# KiCad board main_boardv1.kicad_pcb (continued)
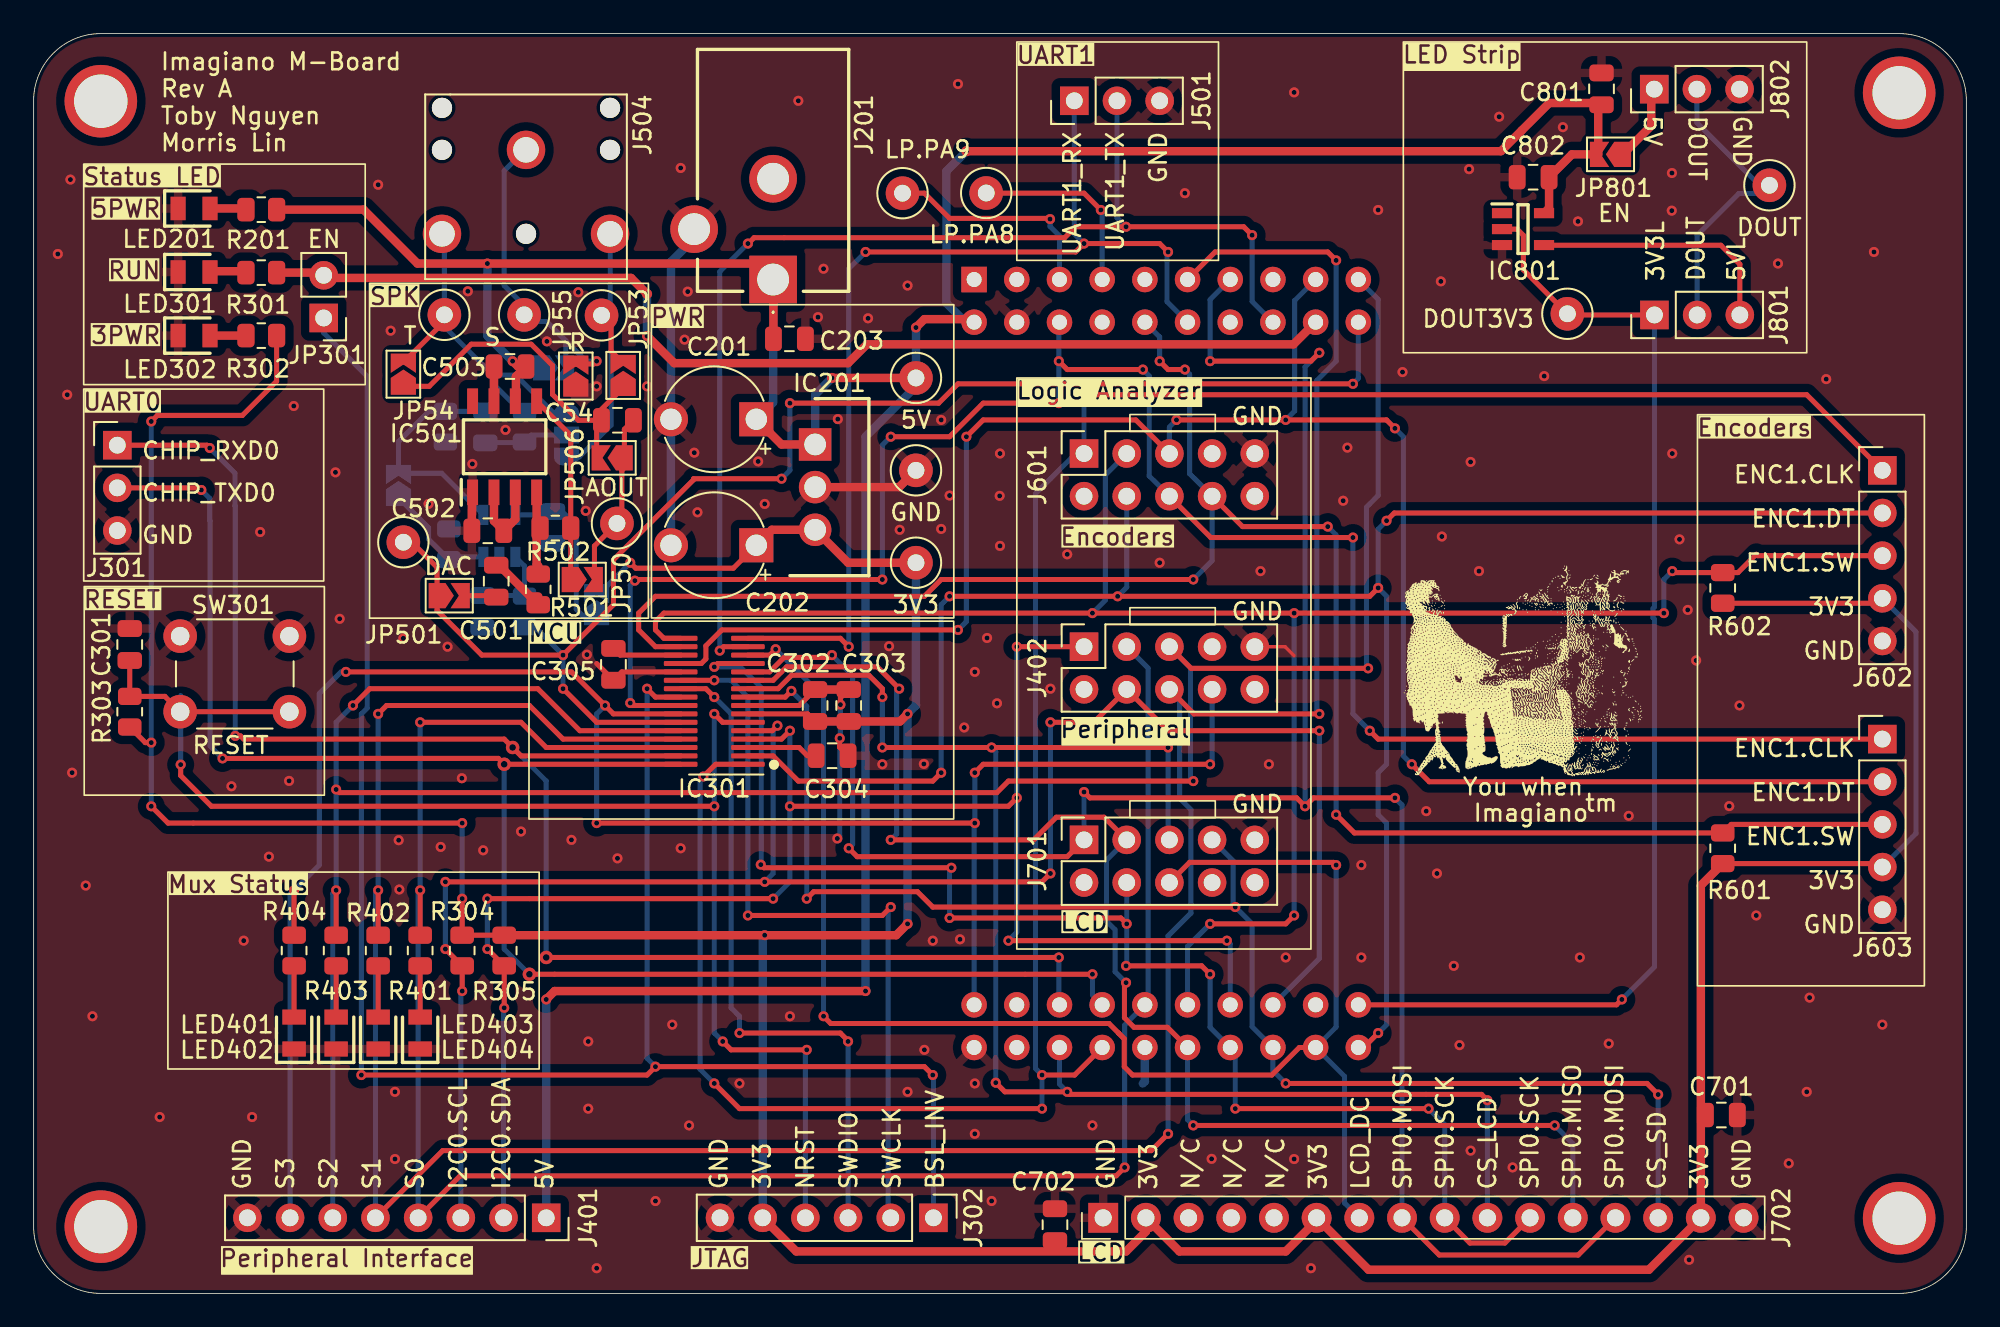
[diagram p0: board, top side]
## Footprints (pads in the part's own frame, mm; a bottom-side part is the same pattern mirrored in y, then rotated)
373
  rect 2.835x2.835 hole 1.89: 1(0,0)
  round 2.835 hole 1.89: 2(0,6) 3(-4.7,3)
bettertestpoint2
  round 2 hole 1: 1(0,0)
C_0805_2012Metric
  rrect 1x1.45 smd: 1(-0.95,0) 2(0.95,0)
CP_Radial_Tantal200mil
  rect 2.032x2.032 hole 1.27: 1(0,0)
  round 2.032 hole 1.27: 2(5.08,0)
generic_VSSOP_0.5mm
  rrect 2x0.3 smd: 1(-2,1) 2(-2,0.5) 3(-2,0) 4(-2,-0.5) 5(-2,-1) 6(-2,-1.5) 7(-2,-2) 8(-2,-2.5) 9(-2,-3) 10(-2,-3.5) 11(-2,-4) 12(-2,-4.5) 13(-2,-5) 14(-2,-5.5) 15(-2,-6) 16(-2,-6.5) 17(2,1) 18(2,0.5) 19(2,0) 20(2,-0.5) 21(2,-1) 22(2,-1.5) 23(2,-2) 24(2,-2.5) 25(2,-3) 26(2,-3.5) 27(2,-4) 28(2,-4.5) 29(2,-5) 30(2,-5.5) 31(2,-6) 32(2,-6.5)
hiletgo_st7735r
  rect 1.778x1.778 hole 1.016: 1(-18.86,0.1)
  round 1.778 hole 1.016: 2(-16.32,0.1) 3(-13.78,0.1) 4(-11.24,0.1) 5(-8.7,0.1) 6(-6.16,0.1) 7(-3.62,0.1) 8(-1.08,0.1) 9(1.46,0.1) 10(4,0.1) 11(6.54,0.1) 12(9.08,0.1) 13(11.62,0.1) 14(14.16,0.1) 15(16.7,0.1) 16(19.24,0.1)
Jack_3.5mm_CUI_SJ1-3523N_Horizontal
  round 1.2 hole 1.2 unplated: (-5,0) (-5,-2.5) (0,5) (5,0) (5,-2.5)
  round 2.286 hole 1.524: R(-5,5) S(0,0) T(5,5)
LEDC2012X40N
  rect 0.9x1.4 smd: 1(-0.95,0) 2(0.95,0)
logic_analyzer_slot_2x5_2.54mm
  rect 1.7x1.7 hole 1: 1(0,0)
  round 1.7 hole 1: 2(-2.54,0) 3(0,-2.54) 4(-2.54,-2.54) 5(0,-5.08) 6(-2.54,-5.08) 7(0,-7.62) 8(-2.54,-7.62) 9(0,-10.16) 10(-2.54,-10.16)
PinHeader_1x02_P2.54mm_Vertical
  rect 1.7x1.7 hole 1: 1(0,0)
  oval 1.7x1.7 hole 1: 2(0,-2.54)
PinHeader_1x03_P2.54mm_Vertical
  rect 1.7x1.7 hole 1: 1(0,0)
  round 1.7 hole 1: 2(0,-2.54) 3(0,-5.08)
PinHeader_1x05_P2.54mm_Vertical
  rect 1.7x1.7 hole 1: 1(0,0)
  round 1.7 hole 1: 2(0,-2.54) 3(0,-5.08) 4(0,-7.62) 5(0,-10.16)
PinHeader_1x06_P2.54mm_Vertical
  rect 1.7x1.7 hole 1: 1(0,0)
  round 1.7 hole 1: 2(0,-2.54) 3(0,-5.08) 4(0,-7.62) 5(0,-10.16) 6(0,-12.7)
PinSocket_1x08_P2.54mm_Vertical
  rect 1.7x1.7 hole 1: 1(0,0)
  round 1.7 hole 1: 2(0,-2.54) 3(0,-5.08) 4(0,-7.62) 5(0,-10.16) 6(0,-12.7) 7(0,-15.24) 8(0,-17.78)
R_0805_2012Metric
  rrect 1.025x1.4 smd: 1(-0.912,0) 2(0.912,0)
SolderJumper-2_P1.3mm_Open_TrianglePad1.0x1.5mm
  custom 1.5x1.5 smd: 1(-0.725,0)
  custom 1.15x1.5 smd: 2(0.725,0)
SolderJumper-3_P1.3mm_Open_RoundedPad1.0x1.5mm
  custom 1.05x1.5 smd: 1(-1.3,0) 3(1.3,0)
  rect 1x1.5 smd: 2(0,0)
SOT95P280X145-5N
  rect 1.2x0.6 smd: 1(-1.25,0.95) 2(-1.25,0) 3(-1.25,-0.95) 4(1.25,-0.95) 5(1.25,0.95)
standoff_MH
  round 4.318 hole 3.175: 1(0,-0.025)
SW_PUSH_6mm
  round 2 hole 1.1: 1(0,0) 1(6.5,0) 2(0,-4.5) 2(6.5,-4.5)
ti_LM4890M_NOPB
  rect 1.525x0.65 smd: 1(-2.712,1.905) 2(-2.712,0.635) 3(-2.712,-0.635) 4(-2.712,-1.905) 5(2.712,-1.905) 6(2.712,-0.635) 7(2.712,0.635) 8(2.712,1.905)
ti_LP_MSPM0G3507
  rect 1.52x1.52 hole 0.89: J1_1(-22.86,2.54)
  round 1.52 hole 0.89: J1_2(-22.86,0) J1_3(-22.86,-2.54) J1_4(-22.86,-5.08) J1_5(-22.86,-7.62) J1_6(-22.86,-10.16) J1_7(-22.86,-12.7) J1_8(-22.86,-15.24) J1_9(-22.86,-17.78) J1_10(-22.86,-20.32) J2_1(22.86,2.54) J2_2(22.86,0) J2_3(22.86,-2.54) J2_4(22.86,-5.08) J2_5(22.86,-7.62) J2_6(22.86,-10.16) J2_7(22.86,-12.7) J2_8(22.86,-15.24) J2_9(22.86,-17.78) J2_10(22.86,-20.32) J3_1(-20.32,2.54) J3_2(-20.32,0) J3_3(-20.32,-2.54) J3_4(-20.32,-5.08) J3_5(-20.32,-7.62) J3_6(-20.32,-10.16) J3_7(-20.32,-12.7) J3_8(-20.32,-15.24) J3_9(-20.32,-17.78) J3_10(-20.32,-20.32) J4_1(20.32,2.54) J4_2(20.32,0) J4_3(20.32,-2.54) J4_4(20.32,-5.08) J4_5(20.32,-7.62) J4_6(20.32,-10.16) J4_7(20.32,-12.7) J4_8(20.32,-15.24) J4_9(20.32,-17.78) J4_10(20.32,-20.32)
TO254P470X1028X1955-3P
  rect 1.935x1.935 hole 1.29: 1(0,0)
  round 1.935 hole 1.29: 2(2.54,0) 3(5.08,0)

## Nets
+3V3: C202.1 C302.1 C303.1 C701.1 C702.1 IC201.3 IC301.7 J302.5 J602.4 J603.4 J702.2 J702.6 J702.15 JP507.2 R302.1 R303.1 R304.2 R305.2 R601.2 R602.2 TP203.1
+5V: C201.1 C203.1 C503.2 C801.1 C802.2 IC201.1 IC501.6 IC801.5 J201.1 J401.1 JP801.2 R201.1 TP201.1 U301.J3_1
GND: C201.2 C202.2 C203.2 C301.2 C302.2 C303.2 C304.2 C305.1 C502.2 C503.1 C505.1 C507.2 C701.2 C702.2 C801.2 C802.1 IC201.2 IC301.8 IC301.28 IC501.1 IC501.7 IC502.2 IC801.3 J201.3 J301.3 J302.6 J401.8 J402.9 J501.3 J601.9 J602.5 J603.5 J701.9 J702.1 J702.16 J802.3 JP55.1 JP508.1 LED201.1 LED301.1 LED302.1 LED401.1 LED402.1 LED403.1 LED404.1 R504.1 R505.1 R506.2 SW301.1 TP202.1 U301.J2_1 U301.J2_5 U301.J3_2
/Audio IO/AOUT1: C54.2 JP50.2 JP506.1 TP502.1
/Audio IO/AOUT2: C54.1 JP53.1 JP54.1 JP506.2
/Audio IO/BYPASS: C502.1 IC501.2 IC501.3
/Audio IO/CinRin: C501.2 R501.1
/Audio IO/DAC_OUT: IC301.22 JP501.1 R503.1 TP501.1 U301.J3_10
/Audio IO/R: J504.R JP53.2 JP511.1 TP504.1
/Audio IO/R_{IN}R_{F}: IC501.4 R501.2 R502.1
/Audio IO/S: J504.S JP55.2 JP508.2 TP503.1
/Audio IO/T: J504.T JP54.2 JP511.3 TP505.1
/Audio IO/UART1_RX: IC301.16 J501.1 U301.J3_6
/Audio IO/UART1_TX: IC301.15 J501.2 U301.J3_8
/Audio IO/VO_1: IC501.5 JP50.1 R502.2
/Encoders & Buttons/ENC1.CLK: IC301.1 J601.1 J602.1 U301.J2_4
/Encoders & Buttons/ENC1.DT: IC301.2 J601.4 J602.2 U301.J2_10
/Encoders & Buttons/ENC1.SW: IC301.32 J601.3 J602.3 R602.1 U301.J4_6
/Encoders & Buttons/ENC2.CLK: IC301.24 J601.6 J603.1 U301.J3_3
/Encoders & Buttons/ENC2.DT: IC301.29 J601.5 J603.2 U301.J1_9
/Encoders & Buttons/ENC2.SW: IC301.31 J601.8 J603.3 R601.1 U301.J3_5
/LCD/CS_LCD: IC301.10 J701.5 J702.10 U301.J2_3
/LCD/CS_SD: IC301.9 J701.7 J702.14 U301.J2_8
/LCD/LCD_DC: IC301.14 J701.6 J702.7 U301.J2_9
/LCD/SPI0.MISO: IC301.11 J701.3 J702.12 U301.J2_6
/LCD/SPI0.MOSI: IC301.12 J701.1 J702.8 J702.13 U301.J1_7
/LCD/SPI0.SCK: IC301.13 J701.4 J702.9 J702.11 U301.J2_7
/LED Strip/DOUT: J801.2 J802.2 TP801.1
/LED Strip/DOUT_3V3: IC801.2 J801.1 TP803.1 U301.J4_10
/LED Strip/DOUT_5V: IC801.4 J801.3
/MCU/BSL_INVOKE: IC301.25 J302.1 JP301.1
/MCU/I2C0.SCL: IC301.5 J401.3 J402.4 R304.1 U301.J4_8
/MCU/I2C0.SDA: IC301.4 J401.2 J402.1 R305.1 U301.J4_7
/MCU/NRST: C301.1 IC301.6 J302.4 R303.2 SW301.2
/MCU/RUN_LED: JP301.2 R301.1 U301.J3_9
/MCU/S0: IC301.19 J401.4 J402.3 R401.1 U301.J4_5
/MCU/S1: IC301.20 J401.5 J402.6 R402.1 U301.J1_6
/MCU/S2: IC301.21 J401.6 J402.5 R403.1 U301.J1_10
/MCU/S3: IC301.23 J401.7 J402.8 R404.1 U301.J4_1
/MCU/SWCLK: IC301.27 J302.2
/MCU/SWDIO: IC301.26 J302.3
/MCU/UART0_CHIP_RX: IC301.18 J301.1 U301.J4_3
/MCU/UART0_CHIP_TX: IC301.17 J301.2 U301.J4_4
/MCU/VCORE: C304.1 IC301.3
Net-(IC301-PA23/VREF+): C305.2 IC301.30
Net-(IC502-+): C505.2 IC502.1 R503.2
Net-(IC502--): IC502.3 JP509.1 R505.2
Net-(IC502-V+): C507.1 IC502.5 JP507.1
Net-(J802-Pin_1): J802.1 JP801.1
Net-(JP501-B): C501.1 JP501.2
Net-(JP509-B): C506.2 IC502.4 JP509.2 R506.1
Net-(JP511-C): C506.1 JP511.2 R504.2
Net-(LED201-A): LED201.2 R201.2
Net-(LED301-A): LED301.2 R301.2
Net-(LED302-A): LED302.2 R302.2
Net-(LED401-A): LED401.2 R401.2
Net-(LED402-A): LED402.2 R402.2
Net-(LED403-A): LED403.2 R403.2
Net-(LED404-A): LED404.2 R404.2
Net-(U301-PA8): TP303.1 U301.J1_4
Net-(U301-PA9/PB23): TP301.1 U301.J1_3

Pads without a net: H101 1; H102 1; H103 1; H104 1; IC501 8; IC801 1; J201 2; J402 2 7 10; J601 2 7 10; J701 2 8 10; J702 3 4 5; U301 J1_1 J1_2 J1_5 J1_8 J2_2 J3_4 J3_7 J4_2 J4_9

## Via types
v1: diameter 0.6, hole 0.3, Top to Bottom, 308 vias
v2: diameter 0.8, hole 0.4, Top to Bottom, 4 vias

## Routing (per net, layer and track width the routed paths; a pad name or vN(x,y) marks a point on that pad's centre or on a via; arc(x,y) is an arc through that point)
+3V3: length 279
  Top w0.3: v1(35.5,43.5) 35.83,43.17 41.63,43.17 C202.1 ; IC301.7 46.05,34.5 C302.1 ; R601.2 109.79,25.59 J603.4 ; R303.1 6.65,32.79 v1(7,32.79) ; R602.2 109.71,41.09 J602.4 ; v1(25.5,23.5) R304.2 R305.2 ; v1(7,29) 8,28 v1(25.5,28) ; R302.1 14.46,54.31 12.42,52.27 7.36,52.27 v1(7,51.91)
  Top w0.5: C202.1 43.92,45.46 IC201.3 48.46,43.5 TP203.1 ; J302.5 45.38,2.5 65,2.5 66.18,3.68 J702.2 68.18,2.5 74.5,2.5 76.34,4.34 J702.6 79.43,1.41 96.11,1.41 J702.15 99.2,24.29 R601.2 ; C302.1 C303.1 51.55,34.05 v1(52,34.5) ; v1(52,22) 51.32,21.33 v1(43.5,21.33) R305.2
  Bottom w0.3: J603.4 112,27.38 112,39.38 J602.4 ; v1(25.5,23.5) v1(25.5,28) ; v1(7,29) v1(7,32.79) v1(7,51.91) ; JP507.2 33.72,41.72 v1(35.5,43.5)
  Bottom w0.5: J302.5 43.38,21.2 v1(43.5,21.33) ; TP203.1 52.5,35 v1(52,34.5) v1(52,22)
+5V: length 202.6
  Top w0.5: v1(28.5,55.5) 28.82,55.18 C503.2 28.7,54.59 28.7,53.15 IC501.6 ; C201.1 44.5,50.54 IC201.1 ; v1(55.5,68) 87.31,68 90.18,70.87 93.26,70.87 93.29,70.84 C801.1 93.29,70.64 93.09,70.44 93.09,67.81 91.53,67.81 C802.2 90.17,64.61 IC801.5 ; v1(49.5,18) 31,18 v1(30.5,17.5) ; U301.J3_1 55.78,58 53,58 v1(52.5,57.5) ; C203.1 44.02,60.34 J201.1 43.05,61.31 v1(27,61.31) 22.84,61.31 19.63,64.52 R201.1 ; v1(47.5,54.5) TP201.1
  Bottom w0.5: U301.J3_1 55.44,57.82 54.31,58.95 54.31,66.81 v1(55.5,68) ; C201.1 44,53.04 44,60 ; v1(28.5,55.5) 27,57 v1(27,61.31) ; v1(52.5,57.5) TP201.1 52.5,54 49.5,51 v1(49.5,18) ; v1(47.5,54.5) 46.5,53.5 IC201.1 ; v1(30.5,17.5) J401.1
GND: length 59.3
  Top w0.2: J402.9 74.46,38.5 74.99,37.97
  Top w0.3: C302.2 45.55,35 IC301.8 ; C304.2 47.95,32.52 47.95,32.95 47.97,32.97 v1(47.97,33.05) ; 33.5,37.5 C305.1 35,37 IC301.28 ; C303.2 48,35.45 v1(48,35.05)
  Top w0.5: IC201.2 51.5,48 TP202.1 ; C302.2 C303.2 ; IC501.1 26.08,47.64 C502.2 ; IC501.7 27.39,54.59 27.39,54.59 C503.1
  Bottom w0.3: v1(47.82,27.08) 47.97,27.23 v1(47.97,33.05) 48,33.09 48,35.05 v1(48,35.05) ; R504.1 28.99,52.51 27.5,54
  Bottom w0.5: C202.2 C201.2 37.92,61.42 39.3,62.8 39.3,63 ; U301.J2_5 66.12,12.62 66,12.5
  vias: v1(1.44,61.88) v1(2,53.5) v1(2.19,66.31) v1(2.29,31) v1(3.1,24.28) v1(3.5,16.5) v1(7.5,10.5) v1(11.77,30.19) v1(12.5,21) v1(13,10.5) v1(13.48,45.33) v1(14,26) v1(15.2,30.51) v1(15.48,52.83) v1(17.96,48.88) v1(18.21,40.16) v1(20.5,66) v1(21.24,57.31) v1(21.5,12) v1(21.5,8) v1(21.72,26.98) v1(21.76,24.04) v1(22,39) v1(23.5,47) v1(24.22,26.58) v1(24.63,38.5) v1(25.48,30.67) v1(25.84,59.66) v1(26.11,49.38) v1(26.75,26.38) v1(28.08,51.41) v1(29,27.5) v1(30.54,56.68) v1(32,27) v1(32.41,59.6) v1(32.85,46.59) v1(32.92,38.03) v1(33,15) v1(33,11) v1(33.5,54) v1(33.5,1.5) v1(34.74,25.9) v1(36.5,54) v1(37,5.5) v1(38,16) v1(38.5,67) v1(38.5,26.5) v1(38.73,56.78) v1(38.92,59.64) v1(39,10) v1(39.31,50.05) v1(39.5,46.5) v1(42,12.5) v1(43.11,49.53) v1(43.5,47) v1(45,16.5) v1(45.5,71) v1(46.67,58.12) v1(47,61) v1(47.85,52.05) v1(49.65,58.05) v1(50.5,31.5) v1(50.9,38.53) v1(51.53,45.46) v1(52,60) v1(52,12) v1(52.97,31.52) v1(53,14.5) v1(53.5,21) v1(54,52) v1(54,45.51) v1(54.5,47.5) v1(55,72) v1(55.12,21.08) v1(55.37,33.69) v1(56,37) v1(56,12.5) v1(56,9.5) v1(56.73,39.02) v1(57,5.5) v1(57.32,35.13) v1(57.5,50) v1(57.48,47.48) v1(57.5,44.5) v1(60.5,36) v1(61.5,44) v1(63,10) v1(67,43.5) v1(68.5,65.5) v1(70.09,8.01) v1(73,43) v1(73.5,31.5) v1(74.5,20) v1(75,71.5) v1(75,8) v1(76,1.5) v1(77.92,47.19) v1(78.17,50.35) v1(79,25.5) v1(79,20) v1(80,64.5) v1(81.45,54.85) v1(82.86,28.71) v1(83.5,25) v1(83.73,60.25) v1(83.79,45.06) v1(84.5,19.5) v1(84.84,14.78) v1(85.41,66.93) v1(85.5,49.5) v1(85.46,34.62) v1(85.5,8.5) v1(86,43) v1(87.2,70.05) v1(88,7.5) v1(89.88,54.61) v1(90.99,69.43) v1(91.89,63.82) v1(92,20) v1(93.72,14.87) v1(94.91,28.43) v1(97.48,66.7) v1(97.47,64.46) v1(97.5,50) v1(97.93,44.89) v1(98.42,40.69) v1(98.5,2) v1(98.92,37.68) v1(100.89,29.01) v1(101.5,35) v1(102.5,22.5) v1(103.79,61.31) v1(104.43,7.74) v1(105.5,12) v1(105.67,17.61) v1(106.66,54.43) v1(109.5,62) v1(110,16)
/Audio IO/AOUT1: length 10.4
  Top w0.3: JP50.2 33.37,44.5 TP502.1 35,46.13 35,49 35.15,49.15 JP506.1 35.15,51.44 C54.2
/Audio IO/AOUT2: length 20.6
  Top w0.3: JP53.1 33.5,52.35 33.5,49.7 ; C54.1 32.41,51.98 30.88,53.52 30.88,55.24 29.6,56.51 26.04,56.51 23.53,54 JP54.1
/Audio IO/BYPASS: length 5.1
  Top w0.5: IC501.3 28.66,46.09 C502.1 27.39,45.99 IC501.2
/Audio IO/CinRin: length 3.3
  Top w0.5: 30.03,41.49 29.55,41.49 27.69,43.35 C501.2
/Audio IO/DAC_OUT: length 88
  Top w0.3: IC301.22 33.5,34 v1(31.5,36) ; v1(45,53) 53.85,53 55,54.15 v1(78.5,54.15) ; TP501.1 22.51,44.72 24,43.22 24,40.67 26.67,38 v1(31.5,38) 34.5,41 34.5,43.67 39.27,48.44 39.27,48.5 v1(44.5,48.5)
  Bottom w0.3: v1(78.5,54.15) 78.82,54.47 U301.J3_10 ; v1(31.5,36) v1(31.5,38) 29.81,39.69 R503.1 ; v1(45,53) 45,49 v1(44.5,48.5)
/Audio IO/R: length 17.7
  Top w0.3: 34.36,57.86 34.36,56.1 JP53.2
  Bottom w0.3: JP511.1 32.47,49.8 34.36,51.69 34.36,57.86 34.31,57.91 34.31,63.15
/Audio IO/R_{IN}R_{F}: length 4.4
  Top w0.5: 30.03,43.31 29.93,43.41 IC501.4
/Audio IO/S: length 20.8
  Top w0.3: 31.92,55.34 JP55.2 33.34,55.34 v1(33.5,55.5)
  Bottom w0.3: 30.94,57.44 31.66,56.72 JP508.2 ; 30.94,57.44 32.88,55.5 v1(33.5,55.5) ; 30.94,57.44 30.52,57.86 29.4,57.86 29.4,58.6 28,60 28,66.84 29.31,68.15
/Audio IO/T: length 18.5
  Top w0.3: 24.44,57.86 22.03,55.45 JP54.2
  Bottom w0.3: JP511.3 30.95,52.4 28.68,54.68 27.32,54.68 24.44,57.56 24.44,63.02 24.31,63.15
/Audio IO/UART1_RX: length 62
  Top w0.3: IC301.16 48,39 v1(48.5,38.5) ; v1(67.5,62) 67,62.5 v1(62.5,62.5) 62,62 v1(49.5,62)
  Bottom w0.3: v1(67.5,62) 67.44,61.94 67.44,59.04 U301.J3_6 ; v1(48.5,38.5) 48.5,61 v1(49.5,62) ; J501.1 61.92,63.08 v1(62.5,62.5)
/Audio IO/UART1_TX: length 70.7
  Top w0.3: IC301.15 41.06,38.5 v1(40.82,38.27) ; 42.51,62.49 42.87,62.85 61.35,62.85 62,63.5 v1(65,63.5) 72,63.5 v1(72.5,63)
  Bottom w0.3: v1(40.82,38.27) 40.82,60.82 v1(42.5,62.5) ; v1(65,63.5) 64.46,64.04 J501.2 ; v1(72.5,63) 72.5,59.06 U301.J3_8
/Audio IO/VO_1: length 11.5
  Top w0.3: JP50.1 31.96,42.54 R502.2 31.96,51.09 IC501.5
/Encoders & Buttons/ENC1.CLK: length 139.3
  Top w0.3: v1(60,13) 61.94,13 U301.J2_4 ; J602.1 105.5,53.5 v1(63,53.5) ; v1(40.5,12.5) 42,11 v1(60,11) ; IC301.1 40.58,31.5 v1(39.85,30.77)
  Bottom w0.3: v1(40.5,12.5) 39.65,13.35 39.65,30.57 v1(39.85,30.77) ; v1(60,11) v1(60,13) 59.61,13.39 59.61,47.61 62,50 J601.1 62.5,53 v1(63,53.5)
/Encoders & Buttons/ENC1.DT: length 117.7
  Top w0.3: v1(54,31) 53.5,30.5 45.5,30.5 44,32 IC301.2 ; U301.J2_10 79.14,14.64 v1(80,15.5) ; v1(80,42) 79.5,41.5 v1(64.5,41.5) v1(54.5,41.5) ; J602.2 80.96,46.46 v1(80.5,46)
  Bottom w0.3: J601.4 65.04,42.04 v1(64.5,41.5) ; v1(54.5,41.5) 54,41 v1(54,31) ; v1(80.5,46) 80,45.5 v1(80,42) 80.5,41.5 80.5,31.5 80,31 80,28.5 80.5,28 80.5,16 v1(80,15.5)
/Encoders & Buttons/ENC1.SW: length 117.1
  Top w0.3: v1(70,22) 74.5,22 v1(75,22.5) ; J602.3 102.58,43.92 102.5,44 101.41,42.91 R602.1 97.59,42.91 v1(97.5,43) ; v1(97,40.5) v1(75,40.5) v1(63,40.5) 37.5,40.5 37,40 37,39.5 37.5,39 IC301.32
  Bottom w0.3: v1(75,22.5) v1(75,40.5) ; U301.J4_6 68.66,20.66 v1(70,22) ; J601.3 63.77,48.73 63.77,41.27 v1(63,40.5) ; v1(97,40.5) 97,42.5 v1(97.5,43)
/Encoders & Buttons/ENC2.CLK: length 117.3
  Top w0.3: 36,42.5 v1(50.5,42.5) ; v1(66,55) 61.5,55 v1(61,55.5) ; v1(51,51) 54.5,51 56.5,53 v1(61,53) ; IC301.24 35.65,35 v1(35.5,35.15) ; J603.1 80,33 v1(79.5,33.5) ; v1(78.5,45) 70.04,45 J601.6
  Bottom w0.3: v1(66,55) 66.38,54.62 66.38,48.66 J601.6 ; U301.J3_3 61,57.78 v1(61,55.5) v1(61,53) ; v1(50.5,42.5) 50.5,50.5 v1(51,51) ; v1(78.5,45) 78.5,34.5 v1(79.5,33.5) ; v1(35.5,35.15) 35.5,42.16 v1(35.78,42.43)
/Encoders & Buttons/ENC2.DT: length 116.1
  Top w0.3: v1(55,39.5) 40.95,39.5 40,38.55 40,37.77 39.73,37.5 IC301.29 ; v1(82,31.5) 83.04,30.46 J603.2 ; v1(55.5,51) 56.5,52 65.58,52 J601.5 ; v1(81,51.5) 80.5,52 v1(74.5,52) v1(68,52)
  Bottom w0.3: v1(81,51.5) 81.5,51 81.5,32 v1(82,31.5) ; J601.5 67.58,51.58 v1(68,52) ; v1(55.5,51) 55.5,40 v1(55,39.5) ; v1(74.5,52) 75.03,52.53 75.03,59.11 U301.J1_9
/Encoders & Buttons/ENC2.SW: length 113.9
  Top w0.3: v1(69,42.5) 54,42.5 53,41.5 37,41.5 36,40.5 36,39.5 37,38.5 IC301.31 ; v1(77.5,28.5) 78.59,27.41 R601.1 101.01,27.92 J603.3 ; v1(67,55.5) 67.5,55 v1(68.5,55) ; v1(77,45.65) 71.93,45.65 J601.8
  Bottom w0.3: v1(68.5,55) 68.78,54.72 68.78,48.8 J601.8 70.12,43.62 v1(69,42.5) ; U301.J3_5 67,56.94 v1(67,55.5) ; v1(77,45.65) 77.5,45.15 v1(77.5,28.5)
/LCD/CS_LCD: length 94.3
  Top w0.3: v1(57.25,12.55) 57.79,12 v1(61.5,12) 61.65,11.85 86.15,11.85 v1(86.5,11.5) ; v1(50.5,32.5) v1(57,32.5) v1(67.5,32.5) ; IC301.10 44.3,36 45.1,36.8 49.7,36.8 50.5,36 v1(50.5,35.5)
  Bottom w0.3: v1(61.5,12) 61.04,12.46 U301.J2_3 ; v1(57,32.5) 57.25,32.25 v1(57.25,12.55) ; J701.5 67.5,27.08 v1(67.5,32.5) ; v1(50.5,32.5) v1(50.5,35.5) ; v1(86.5,11.5) J702.10
/LCD/CS_SD: length 87.8
  Top w0.3: IC301.9 44.72,35.5 v1(45.09,35.87) ; v1(96.66,11.84) 96,12.5 v1(74.5,12.5) ; v1(46,23.5) 46.41,23.91 52.59,23.91 53.5,23 v1(71.5,23)
  Bottom w0.3: v1(46,23.5) 46,34.96 45.17,35.78 45.17,35.96 v1(45.09,35.87) ; v1(96.66,11.84) J702.14 ; v1(74.5,12.5) 73.74,13.26 U301.J2_8 72.5,15.88 72.5,22 v1(71.5,23) 71.37,23.13 71.37,25.75 J701.7
/LCD/LCD_DC: length 90.7
  Top w0.3: IC301.14 43.8,38 v1(44.15,38.35) ; v1(47,16.5) 47.43,16.07 63.98,16.07 64.55,15.5 ; U301.J2_9 75.31,14.64 73.67,13 65.39,13 64.89,13.49 64.89,15.16 64.55,15.5 ; 64.55,15.5 64.55,15.49 64.83,15.22 ; J701.6 68.78,25.66 77.34,25.66 v1(77.5,25.5)
  Bottom w0.3: v1(77.5,25.5) 77.5,15.86 U301.J2_9 78,12.92 78,5.38 J702.7 ; v1(44.15,38.35) 47,35.5 v1(47,16.5)
/LCD/SPI0.MISO: length 82.6
  Top w0.3: v1(51,27) 59.5,27 60.85,28.35 63.69,28.35 J701.3 ; IC301.11 44,36.5 44.8,37.3 50.2,37.3 v1(51.5,36) ; v1(90.5,10) v1(69,10) ; U301.J2_6 67.46,15.84 65.48,15.84 64.9,16.41 64.9,18.4 v1(65,18.5)
  Bottom w0.3: U301.J2_6 68.66,10.34 v1(69,10) ; J701.3 63.84,25.8 63.84,22.16 64.35,21.65 64.35,19.15 v1(65,18.5) ; v1(51.5,36) 51.35,35.85 51.35,27.35 v1(51,27) ; v1(90.5,10) 91.58,8.92 J702.12
/LCD/SPI0.MOSI: length 133.2
  Top w0.3: IC301.12 43.79,37 44.65,37.86 47.36,37.86 v1(47.5,38) ; J702.13 91.91,2.29 83.63,2.29 J702.8 ; v1(48.5,26.5) 49,26 61.5,26 J701.1 ; v1(76.5,56) 76,55.5 v1(70,55.5) ; v1(81,29.5) 76.15,29.5 v1(75.65,29) 75.15,29.5 62.85,29.5 v1(62.5,29.85)
  Bottom w0.3: v1(75.65,29) 75.65,55.15 v1(76.5,56) ; v1(48.5,26.5) 48.73,26.73 48.73,36.77 v1(47.5,38) ; U301.J1_7 70,59.16 v1(70,55.5) ; v1(81,29.5) 81.42,29.08 J702.8 ; J701.1 v1(62.5,29.85)
/LCD/SPI0.SCK: length 84.6
  Top w0.3: v1(43.27,25.53) 43.45,25.34 v1(54.61,25.34) ; v1(40.5,37.3) 40.7,37.5 IC301.13 ; J702.11 87.54,3 85.46,3 J702.9 ; v1(65,19.5) 69.5,19.5 v1(70,19) ; v1(54.5,22.35) 64.69,22.35 v1(65.04,22) ; v1(83,11) v1(71.5,11)
  Bottom w0.3: J702.9 83.96,10.04 v1(83,11) ; v1(65,19.5) 65.04,19.54 v1(65.04,22) J701.4 ; v1(40.5,37.3) 42.05,37.3 43.3,36.05 43.3,25.56 v1(43.27,25.53) ; v1(70,19) 70,15.84 U301.J2_7 71.5,14.34 v1(71.5,11) ; v1(54.61,25.34) 54.5,25.23 v1(54.5,22.35)
/LED Strip/DOUT: length 18.1
  Bottom w0.3: J802.2 98.97,69.69 102.68,65.97 TP801.1 102.79,65.48 101.46,65.48 98.98,63 J801.2
/LED Strip/DOUT_3V3: length 70.1
  Top w0.3: J801.1 91.33,58.25 TP803.1 88.64,60.94 88.64,62.99 88.27,63.36 IC801.2 ; U301.J4_10 94.18,17.18 v1(94.5,17.5)
  Bottom w0.3: 96.44,58.56 96.44,40.86 96.35,40.77 96.35,40.23 96.44,40.14 96.44,19.44 v1(94.5,17.5)
/LED Strip/DOUT_5V: length 15.1
  Top w0.3: J801.3 101.52,61.27 100.39,62.4 90.2,62.4 90.19,62.41 IC801.4
/MCU/BSL_INVOKE: length 114.1
  Top w0.3: v1(53.5,13) 53,13.5 v1(37,13.5) 36.5,13 v1(19.5,13) ; IC301.25 37,35.5 v1(36.5,36)
  Bottom w0.3: v1(37,13.5) 36.5,14 v1(36.5,36) ; v1(53.5,13) 53.54,12.96 J302.1 ; v1(19.5,13) 19.5,34.5 19.85,34.85 19.85,54.59 17.26,57.18 JP301.1
/MCU/I2C0.SCL: length 112.4
  Top w0.3: v1(44.26,33.8) 43.96,33.5 IC301.5 ; v1(25.5,18) R304.1 v1(24.5,20.5) ; v1(76.5,33.5) 67.5,33.5 J402.4 63.08,34 v1(60.5,34) ; v1(60.5,25) 60,24.5 v1(43.5,24.5) v1(24.5,24.5)
  Bottom w0.3: v1(44.26,33.8) 44,33.54 44,25 v1(43.5,24.5) ; v1(60.5,25) v1(60.5,34) ; v1(76.5,33.5) 76.5,19.94 U301.J4_8 ; J401.3 25.42,17.92 v1(25.5,18) ; v1(24.5,24.5) v1(24.5,20.5)
/MCU/I2C0.SDA: length 101.9
  Top w0.3: J402.1 v1(58.5,38.5) ; v1(27,20.5) R305.1 v1(28,17) ; v1(58,21) v1(71,21) ; v1(45,33.5) 44.5,33 IC301.4 ; v1(44,23.5) v1(27,23.5) ; v1(45,29) 58,29 v1(58.5,29.5)
  Bottom w0.3: v1(71,21) 71.2,20.8 U301.J4_7 ; v1(58,21) 58.5,21.5 v1(58.5,29.5) v1(58.5,38.5) ; v1(44,23.5) 45,24.5 v1(45,33.5) ; v1(27,23.5) v1(27,20.5) ; v1(28,17) 27.96,16.96 J401.2
/MCU/NRST: length 86.4
  Top w0.3: v1(41,15) 41.5,14.5 v1(46,14.5) ; v1(8.75,31.48) 8.75,30.83 10.58,29 v1(40.5,29) ; IC301.6 41,34 v1(40.5,34.5) ; C301.1 R303.2 7.81,35.54 SW301.2 SW301.2
  Bottom w0.3: J302.4 45.92,14.42 v1(46,14.5) ; v1(41,15) 40.5,15.5 v1(40.5,29) v1(40.5,34.5) ; v1(8.75,31.48) 8.75,35.59
/MCU/RUN_LED: length 66.5
  Top w0.5: v1(36.5,57) 38.12,55.38 48.46,55.38 49.58,56.5 74.96,56.5 U301.J3_9 ; JP301.2 17.42,60.45 35.55,60.45 v1(36.5,59.5) ; JP301.2 17.1,60.77 R301.1 ; JP301.2 17.25,60.6
  Bottom w0.5: v1(36.5,57) v1(36.5,59.5)
/MCU/S0: length 123.7
  Top w0.3: v1(23,24) R401.1 ; v1(64.91,7.5) 64.41,7 25.38,7 J401.4 ; IC301.19 30.5,32.5 29,34 v1(23,34)
  Bottom w0.3: v1(23,34) v1(23,24) 22.88,23.88 J401.4 ; J402.3 66.31,37.23 66.31,17.37 U301.J4_5 64.91,15.97 v1(64.91,7.5)
/MCU/S1: length 175.4
  Top w0.3: v1(20.5,34.5) 21,35 29.5,35 31.5,33 IC301.20 ; J402.6 69.04,34.5 v1(76.5,34.5) ; v1(20.5,24) R402.1 ; v1(67.5,9.5) 66.5,8.5 24.34,8.5 J401.5 ; U301.J1_6 70.3,62 77,62 v1(77.5,61.5)
  Bottom w0.3: v1(76.5,34.5) 76.35,34.65 76.35,54.35 77.5,55.5 v1(77.5,61.5) ; J401.5 20.34,23.84 v1(20.5,24) v1(20.5,34.5) ; J402.6 68.19,35.35 68.19,29.47 68.86,28.8 68.86,22.64 67.5,21.28 v1(67.5,9.5)
/MCU/S2: length 150.9
  Top w0.3: v1(19,35) 20,36 30,36 32.5,33.5 IC301.21 ; v1(18,24) R403.1 ; J402.5 68.87,37.21 v1(79.4,37.21) ; v1(69,30.5) 58,30.5 57.31,29.81 18.19,29.81 v1(18,30)
  Bottom w0.3: v1(19,35) 18,34 v1(18,30) v1(18,24) 17.8,23.8 J401.6 ; J402.5 68.83,37.25 68.83,30.67 v1(69,30.5) ; v1(79.4,37.21) 79.3,37.31 79.3,46.8 80,47.5 80,59.18 U301.J1_10
/MCU/S3: length 119.9
  Top w0.3: IC301.23 34.5,34.5 v1(34,35) 32,37 v1(18.58,37) ; v1(56,28) v1(33.5,28) ; v1(15.5,24) R404.1 ; v1(70,31.5) 56.5,31.5 v1(56,31)
  Bottom w0.3: v1(34,35) 33.5,34.5 v1(33.5,28) ; v1(56,31) v1(56,28) 55.96,27.96 U301.J4_1 ; v1(18.58,37) 18.29,37 17,35.71 17,25.5 v1(15.5,24) 15.26,23.76 J401.7 ; v1(70,31.5) 70.12,31.62 J402.8
/MCU/SWCLK: length 44.7
  Top w0.3: IC301.27 v1(40.5,36.5) ; v1(42.5,22.5) 50.5,22.5 v1(51,23)
  Bottom w0.3: v1(40.5,36.5) 41.5,36.5 42.5,35.5 v1(42.5,22.5) ; v1(51,23) 50.85,22.85 50.85,4.65 J302.2
/MCU/SWDIO: length 40
  Top w0.3: v1(48.46,15) 48.46,15.04 48,15.5 v1(42,15.5) ; v1(40.5,35.5) 40,36 IC301.26
  Bottom w0.3: v1(40.5,35.5) 41.5,34.5 41.5,17 42,16.5 v1(42,15.5) ; v1(48.46,15) J302.3
/MCU/UART0_CHIP_RX: length 97
  Top w0.3: J301.1 10.31,50.5 v1(10.48,50.33) ; v2(30.5,20) v1(61,20) ; v1(12,33.19) 12.31,33.19 12.5,33 28,33 v2(28.5,32.5) 29,32 IC301.18
  Bottom w0.3: v1(61,20) 61,17.22 U301.J4_3 ; v1(12,33.19) 12,46.86 11.98,46.88 11.98,48.83 v1(10.48,50.33) ; v2(28.5,32.5) 30.5,30.5 v2(30.5,20)
/MCU/UART0_CHIP_TX: length 97.6
  Top w0.3: J301.2 9.85,47.96 v1(9.98,47.83) ; v1(11.24,31.85) 13.54,31.85 13.54,31.85 27.65,31.85 v2(28,31.5) IC301.17 ; v1(63,19) v2(29.5,19)
  Bottom w0.3: U301.J4_4 63,17.76 v1(63,19) ; v2(28,31.5) 28,20.5 v2(29.5,19) ; v1(11.24,31.85) 10.5,32.59 10.5,46 10.48,46.02 10.48,47.33 v1(9.98,47.83)
/MCU/VCORE: length 4.3
  Top w0.3: IC301.3 45.55,32.5 46.04,32.01 C304.1
Net-(IC301-PA23/VREF+): length 4.2
  Top w0.3: C305.2 34.9,38 IC301.30
Net-(IC502-+): length 5.1
  Bottom w0.3: C505.2 29.17,41.55 R503.2 29.21,43.3 IC502.1
Net-(IC502--): length 7
  Bottom w0.3: JP509.1 23.5,45.58 23.5,44.9 R505.2 24.87,43.85 IC502.3
Net-(IC502-V+): length 10.4
  Bottom w0.3: IC502.5 30.7,46.35 C507.1 30.9,46.55 31.45,46.55 32.29,45.71 32.29,40.73 32.75,40.28 JP507.1
Net-(J802-Pin_1): length 4.7
  Top w0.5: JP801.1 96.25,69.51 96.25,71.52 J802.1
Net-(JP501-B): length 2.2
  Top w0.3: 27.47,41.4 C501.1 27.44,41.54 JP501.2
Net-(JP509-B): length 13.9
  Bottom w0.3: C506.2 26.85,52.51 R506.1 23.51,52.51 21.71,50.71 JP509.2 24.28,48.82 IC502.4
Net-(JP511-C): length 5
  Bottom w0.3: C506.1 26.88,50.65 29.17,50.65 R504.2 29.62,51.1 JP511.2
Net-(LED201-A): length 2.1
  Top w0.5: LED201.2 12.56,64.59
Net-(LED301-A): length 2.1
  Top w0.5: 10.5,60.85 12.63,60.85
Net-(LED302-A): length 2.1
  Top w0.5: R302.2 LED302.2
Net-(LED401-A): length 3
  Top w0.3: LED401.2 R401.2
Net-(LED402-A): length 3
  Top w0.3: R402.2 LED402.2
Net-(LED403-A): length 3
  Top w0.3: LED403.2 R403.2
Net-(LED404-A): length 3
  Top w0.3: R404.2 LED404.2
Net-(U301-PA8): length 11.4
  Top w0.3: v1(63.5,64.5) 62.5,65.5 56.69,65.5 TP303.1
  Bottom w0.3: v1(63.5,64.5) 63.58,64.42 U301.J1_4
Net-(U301-PA9/PB23): length 13.2
  Top w0.3: TP301.1 53,65.5 54.5,64 60.43,64 v1(60.48,63.96)
  Bottom w0.3: U301.J1_3 61.04,62.96 60.48,63.52 v1(60.48,63.96)

## Copper pours and planes (outline as drawn; the poured copper is in the pictures)
GND on Top, Bottom: -4.7,-4 125,-3.5 125,79.42 -4.98,79.42

## Text on the board
F.Silkscreen: Status LED | UART0 | RESET | 5PWR | 3PWR | RUN | CHIP_RXD0 | CHIP_TXD0 | GND | Imagiano M-Board / Rev A / Toby Nguyen / Morris Lin | Mux Status | Peripheral Interface | EN | SPK | MCU | PWR | JTAG | Logic Analyzer | UART1 | Encoders | Peripheral | LCD | LED Strip | ENC1.CLK | ENC1.SW | ENC1.DT | 3V3 | Imagiano | tm | You when | NRST | SWDIO | SWCLK | BSL_INV | UART1_RX | UART1_TX | N/C | LCD_DC | SPI0.MOSI | SPI0.SCK | CS_LCD | SPI0.MISO | 3V3L | CS_SD | DOUT | 5VL | S3 | S2 | S1 | S0 | I2C0.SCL | I2C0.SDA | 5V
